# KiCad board FrontEnd_5G.kicad_pcb
title: FrontEnd_5G; date: 2022-03-03; rev: 1v0; company: Lime Microsystems
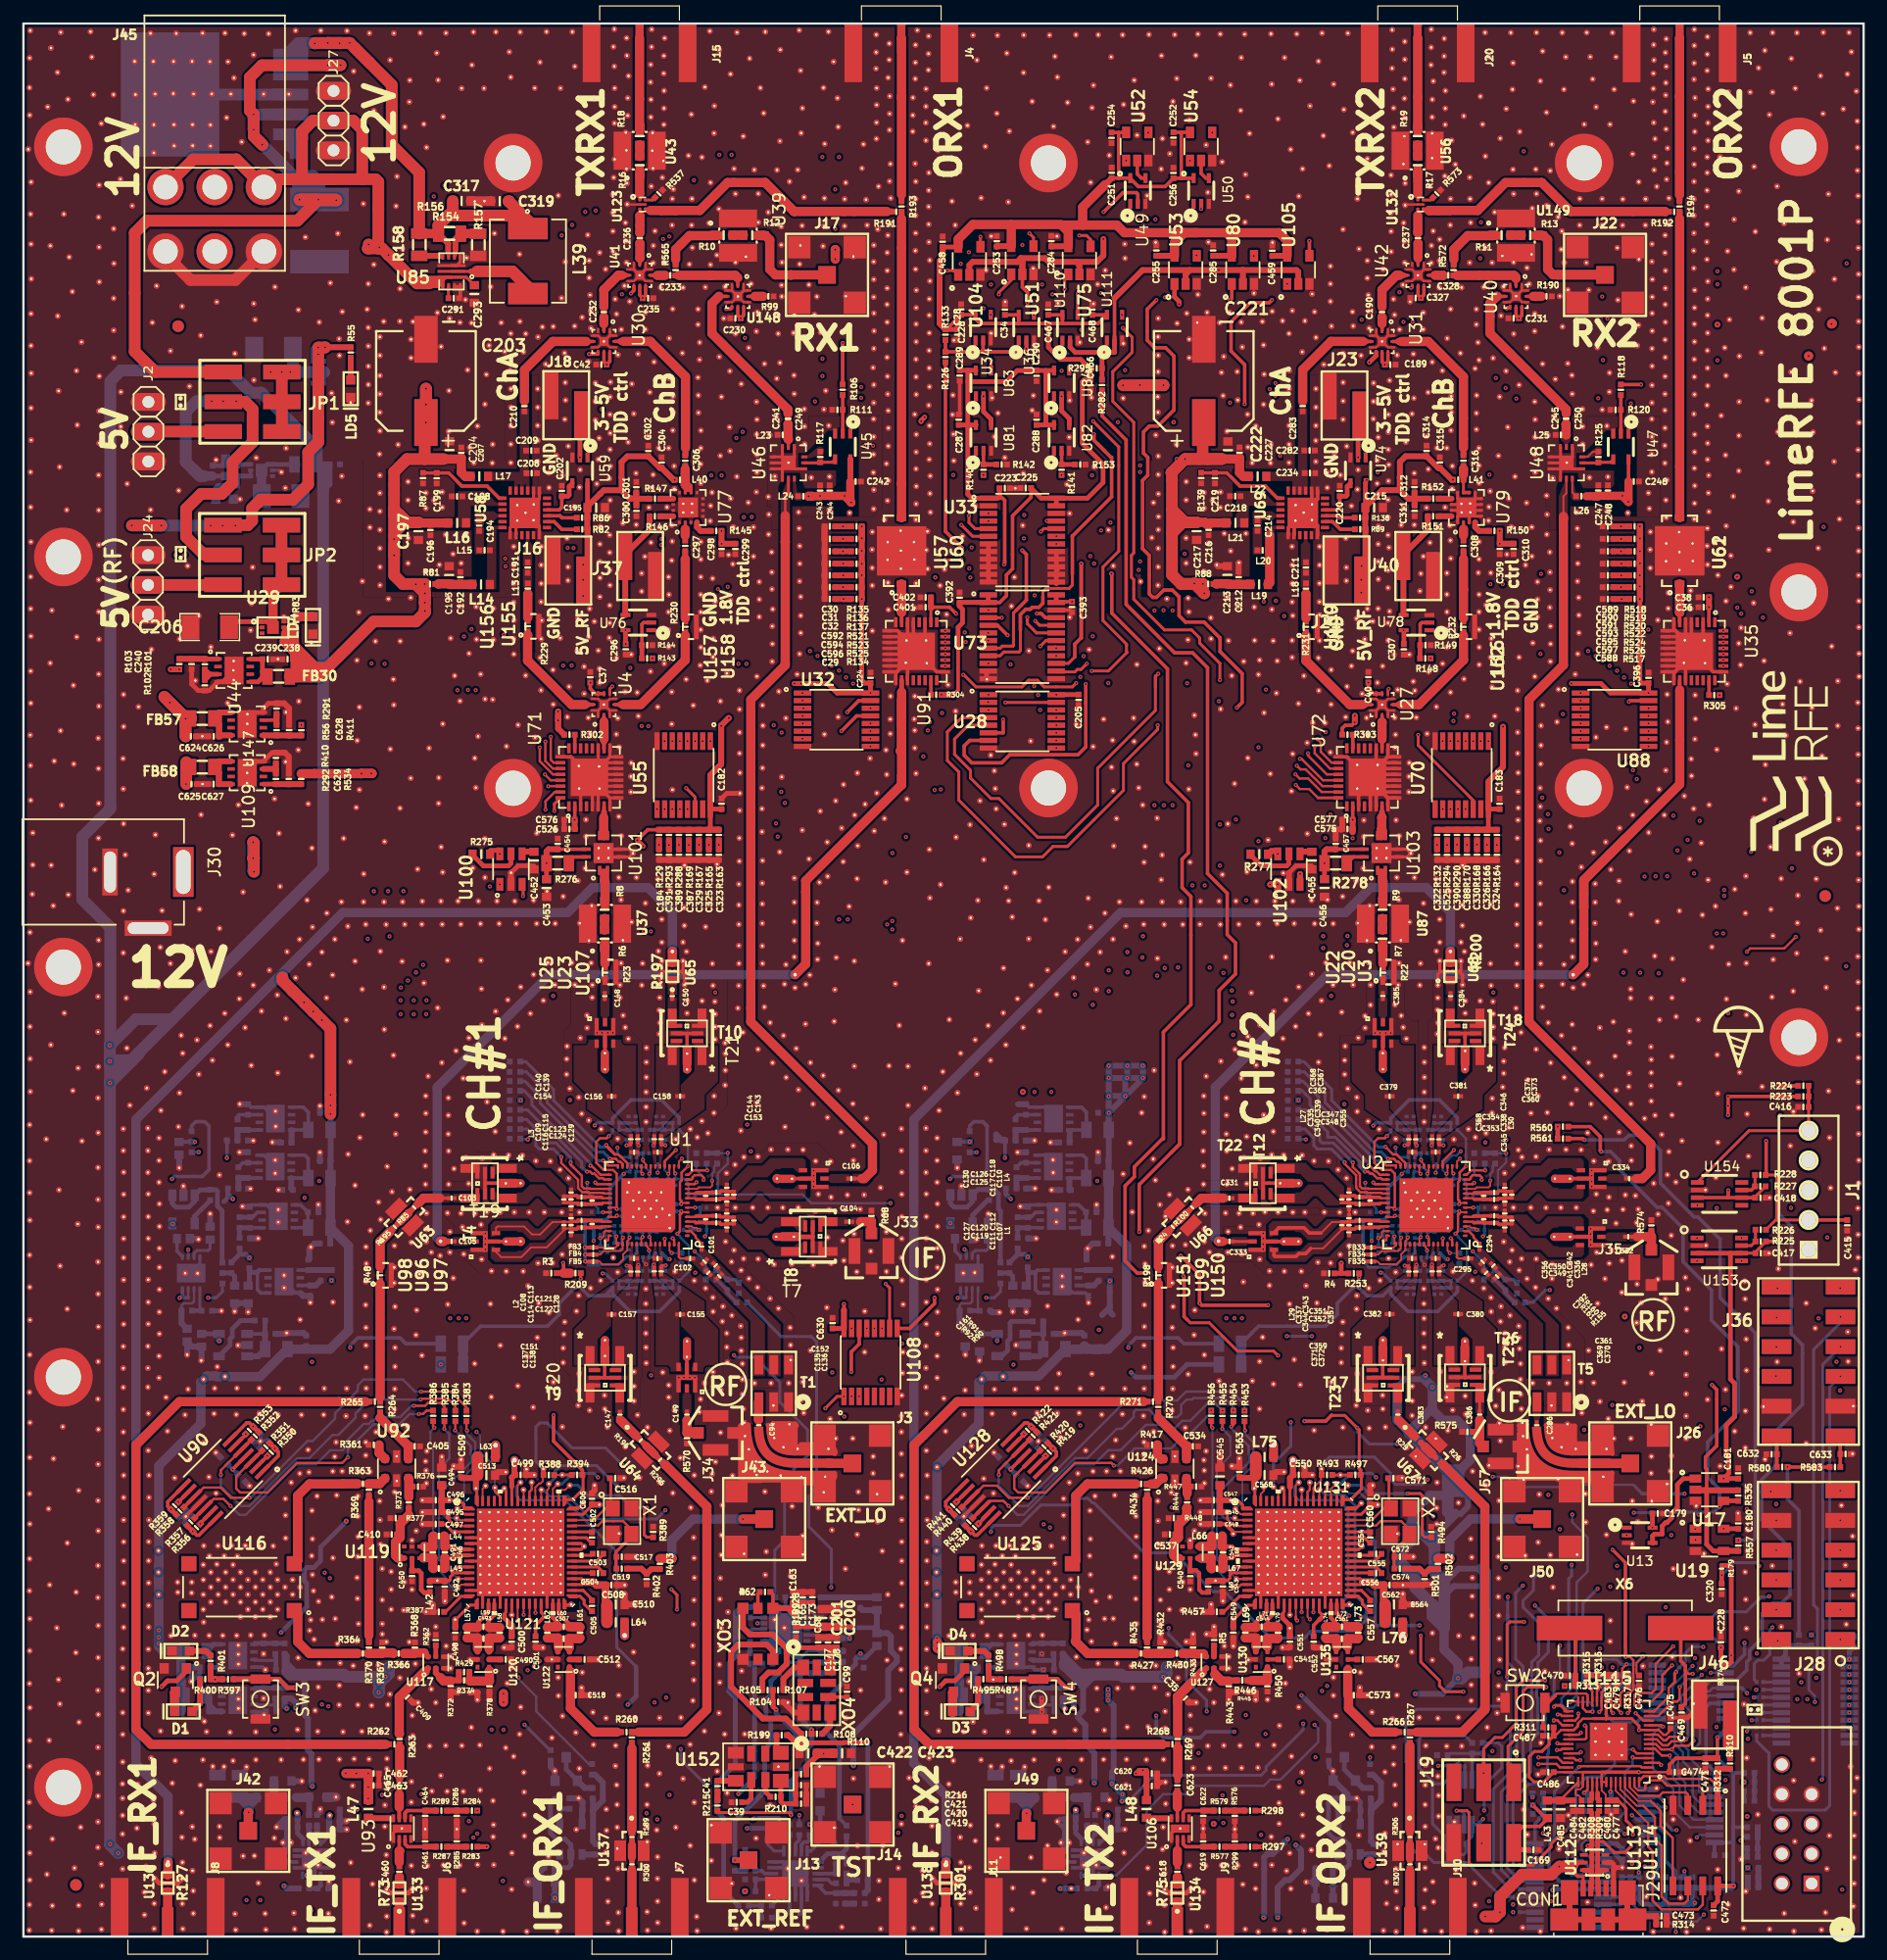
[diagram p0: board, top side]
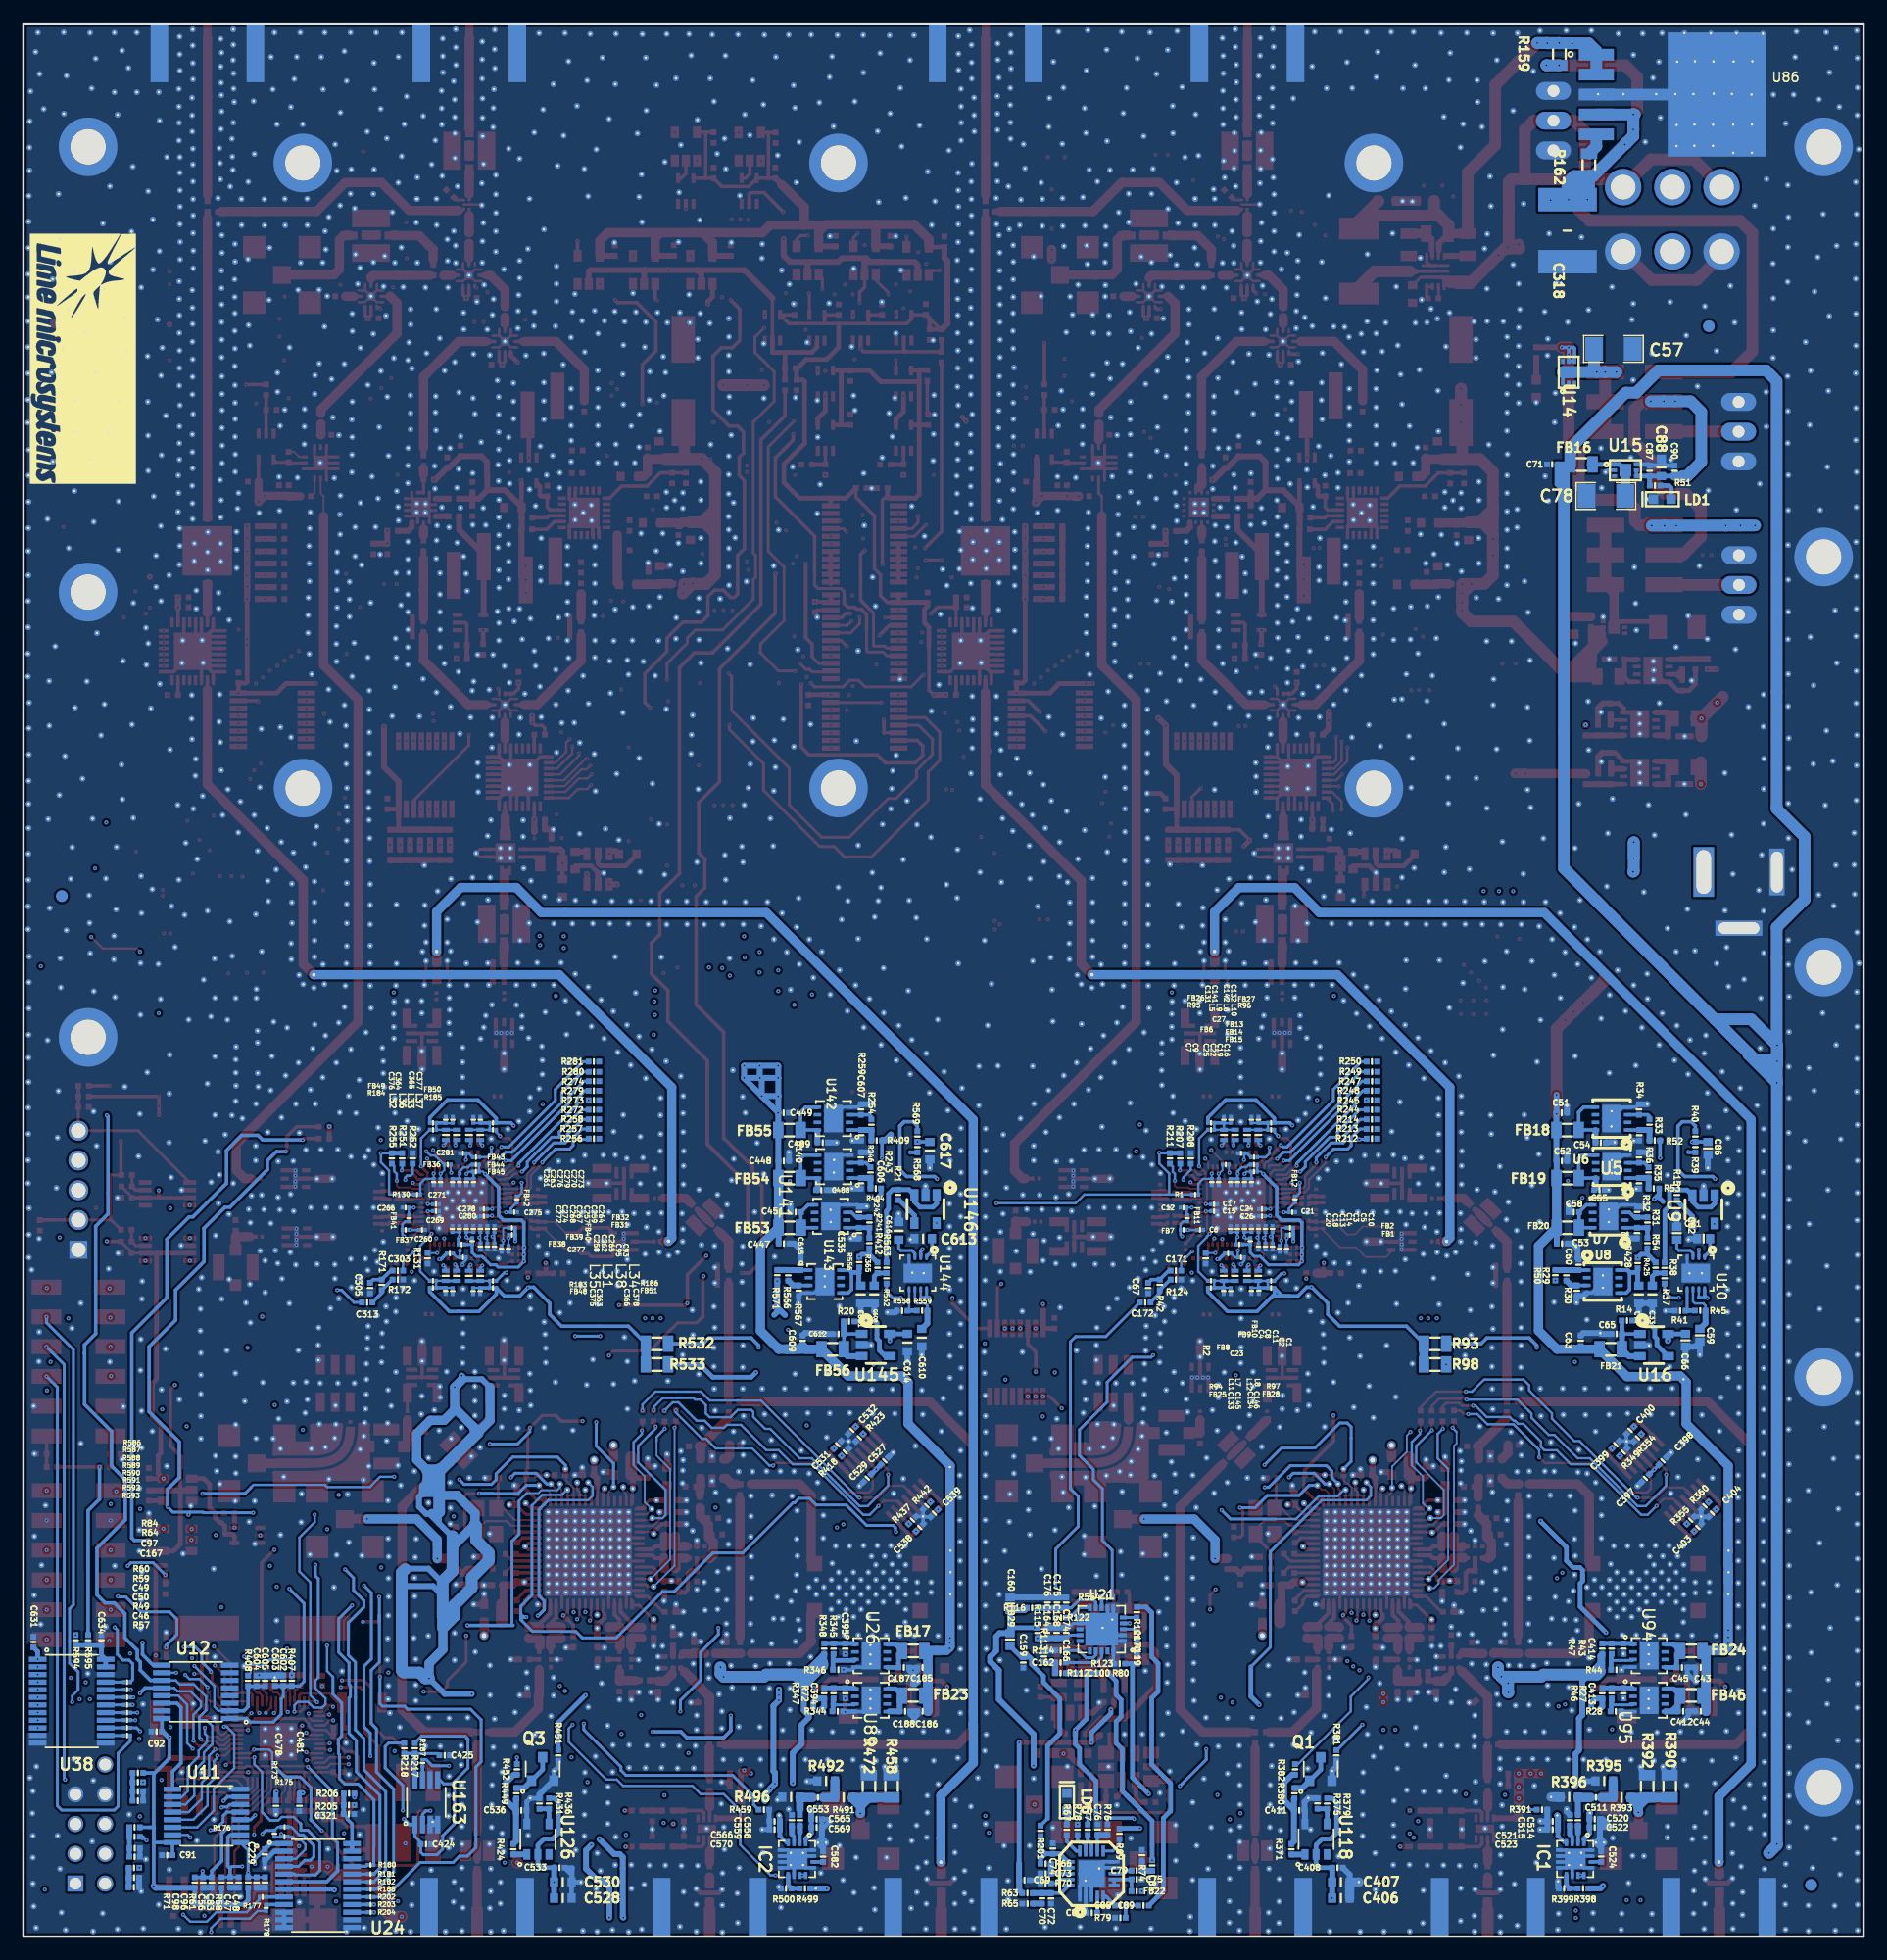
[diagram p1: board, bottom side, seen from below]

Outline 157.13 x 163.27 mm; copper layers: F.RO, B.RO, F.FR4, B.FR4, F2.RO, B2.RO (plane). Coordinates in mm from the lower left corner of the outline.
Outline path: 157.13,163.26 0,163.26 0,0 157.13,0 ; 157.13,163.26 157.13,163.27 ; 157.13,163.26 157.13,0.01

## Placement (name value [footprint] x y rotation side)
C1  1UF_0201_TDK_X5R  [SMD0201]  49.27 58.69 270 bottom
C2  1UF_0201_TDK_X5R  [SMD0201]  49.87 58.69 270 bottom
C3  1UF_0201_TDK_X5R  [SMD0201]  51.67 60.39 90 bottom
C4  1NF_0201  [SMD0201]  51.67 58.89 270 bottom
C5  1UF_0201_TDK_X5R  [SMD0201]  51.07 60.39 90 bottom
C6  1UF_0201_TDK_X5R  [SMD0201]  56.66 60.31 180 bottom
C7  1UF_0201_TDK_X5R  [SMD0201]  55.66 64.39 270 bottom
C8  1NF_0201  [SMD0201]  51.07 58.89 270 bottom
C9  1UF_0201_TDK_X5R  [SMD0201]  55.07 64.39 270 bottom
C10  1NF_0201  [SMD0201]  50.47 60.39 90 bottom
C11  1UF_0201_TDK_X5R  [SMD0201]  50.47 58.89 270 bottom
C12  1UF_0201_TDK_X5R  [SMD0201]  58.06 62.21 0 bottom
C13  1UF_0201_TDK_X5R  [SMD0201]  52.87 60.39 90 bottom
C14  1NF_0201  [SMD0201]  52.27 60.39 90 bottom
C15  1UF_0201_TDK_X5R  [SMD0201]  55.46 61.91 180 bottom
C16  1UF_0201_TDK_X5R  [SMD0201]  52.26 64.39 270 bottom
C17  1UF_0201_TDK_X5R  [SMD0201]  55.46 62.5 180 bottom
C18  1UF_0201_TDK_X5R  [SMD0201]  53.47 60.39 90 bottom
C19  1NF_0201  [SMD0201]  52.86 64.39 270 bottom
C20  1NF_0201  [SMD0201]  54.07 60.39 90 bottom
C21  1UF_0201_TDK_X5R  [SMD0201]  48.79 61.82 180 bottom
C22  1UF_0201_TDK_X5R  [SMD0201]  53.46 64.39 270 bottom
C23  1UF_0201_TDK_X5R  [SMD0201]  53.16 57.96 180 bottom
C24  1UF_0201_TDK_X5R  [SMD0201]  51.37 62.09 0 bottom
C25  1NF_0201  [SMD0201]  54.06 64.39 270 bottom
C26  1UF_0201_TDK_X5R  [SMD0201]  51.37 61.48 0 bottom
C27  1UF_0201_TDK_X5R  [SMD0201]  53.16 66.85 0 bottom
C28  10nF_0402  [SMD0402]  79.75 136.71 90 top
C29  10nF_0402  [SMD0402]  68.86 114.15 0 top
C30  10nF_0402  [SMD0402]  68.86 120.35 0 top
C31  10nF_0402  [SMD0402]  68.86 119.28 0 top
C32  10nF_0402  [SMD0402]  68.86 118.22 0 top
C33  10UF_0603  [SMD0603]  18.04 54.8 270 bottom
C34  10nF_0402  [SMD0402]  83.81 138.85 270 top
C35  NF_10pF_0402_GJM1555C1H100GB01D  [SMD0402]  99.22 20.35 135 top
C36  470pF_0402_GRM1555C1H471JA01D  [SMD0402]  143.48 113.45 180 top
C37  10nF_0402  [SMD0402]  48.4 107.47 270 top
C38  47nF_0402_GCM155R71H473KE02D  [SMD0402]  143.48 114.3 180 top
C39  33nF_0402  [SMD0402]  60.91 11.46 180 top
C40  10nF_0402  [SMD0402]  114.85 107.48 270 top
C41  1nF_0402  [SMD0402]  59.27 12.84 270 top
C42  10nF_0402  [SMD0402]  49.35 134.16 0 top
C43  1UF_0402  [SMD0402]  13.91 22.97 0 bottom
C44  1UF_0402  [SMD0402]  13.91 19.22 0 bottom
C45  1UF_0402  [SMD0402]  15.51 22.97 180 bottom
C46  1nF_0402  [SMD0402]  147.69 5.03 180 bottom
C47  1nF_0402  [SMD0402]  137.22 4.62 270 bottom
C48  10nF_0402  [SMD0402]  136.5 4.62 270 bottom
C49  1nF_0402  [SMD0402]  147.63 7.54 180 bottom
C50  10nF_0402  [SMD0402]  147.64 6.81 180 bottom
C51  1UF_0402  [SMD0402]  25.78 70.3 180 bottom
C52  1UF_0402  [SMD0402]  25.76 66.19 180 bottom
C53  1UF_0402  [SMD0402]  25.75 59.15 180 bottom
C54  1UF_0402  [SMD0402]  22.44 67.76 180 bottom
C55  1UF_0402  [SMD0402]  22.55 63.72 180 bottom
C56  1nF_0402  [SMD0402]  139.48 4.62 270 bottom
C57  10UF_1206  [SMD1206]  21.36 135.5 180 bottom
C58  1UF_0402  [SMD0402]  24.74 61.83 0 bottom
C59  1UF_0603  [SMD0603#2]  13.98 51.32 90 bottom
C60  4.7UF_0402  [SMD0402]  24.33 57.33 90 bottom
C61  4.7UF_0402  [SMD0402]  19.35 60.04 270 bottom
C62  4.7UF_0402  [SMD0402]  19.16 68.39 270 bottom
C63  1UF_0402  [SMD0402]  24.15 50.85 90 bottom
C64  4.7UF_0402  [SMD0402]  19.18 64.29 270 bottom
C65  1UF_0402  [SMD0402]  21.08 51.43 0 bottom
C66  10UF_0603  [SMD0603#2]  15.21 50.89 270 bottom
C67  100NF_0402  [SMD0402]  61.09 55.35 270 bottom
C68  1NF_0402  [SMD0402]  67.85 25.11 90 top
C69  1.2NF_0402  [SMD0402]  71.65 4.82 180 bottom
C70  470NF_0402  [SMD0402]  70.16 3.26 270 bottom
C71  100nF_0402_GRM155R71C104KA88J  [SMD0402]  26.59 125.64 0 bottom
C72  68NF_0402  [SMD0402]  69.38 3.26 270 bottom
C73  100NF_0402  [SMD0402]  69.84 5.38 180 bottom
C74  100NF_0402  [SMD0402]  69.23 7.51 270 bottom
C75  100NF_0402  [SMD0402]  62.07 4.89 180 bottom
C76  10PF_0402  [SMD0402]  65.41 9.13 90 bottom
C77  10UF_0603  [SMD0603]  19.19 54.8 270 bottom
C78  10UF_1206  [SMD1206]  22.01 122.94 0 bottom
C79  100NF_0402  [SMD0402]  62.07 5.63 0 bottom
C80  220PF_0402  [SMD0402]  65.9 2.03 0 bottom
C81  10UF_0603  [SMD0603#2]  13.66 59.57 0 bottom
C82  1UF_0603  [SMD0603#2]  15.95 60.03 270 bottom
C83  10nF_0402  [SMD0402]  138.75 4.62 270 bottom
C84  100NF_0402  [SMD0402]  60.75 6.07 270 bottom
C85  100NF_0402  [SMD0402]  63.46 2.65 0 bottom
C86  10UF_0603  [SMD0603#2]  13.29 67.27 270 bottom
C87  100nF_0402_GRM155R71C104KA88J  [SMD0402]  18.28 125.09 90 bottom
C88  10uF_0603_GRM188R61E106KA73J  [SMD0603]  17.27 125.39 90 bottom
C89  100NF_0402  [SMD0402]  61.48 2.65 0 bottom
C90  1uF_0402_CC0402ZRY5V5BB105  [SMD0402]  16.15 125.09 90 bottom
C91  10nF_0402  [SMD0402]  144.85 6.94 0 bottom
C92  10nF_0402  [SMD0402]  145.76 17.5 0 bottom
C93  1UF_0201_TDK_X5R  [SMD0201]  115.71 58.69 270 bottom
C94  10PF_0201  [SMD0201]  62.79 43.64 90 top
C95  1UF_0201_TDK_X5R  [SMD0201]  116.31 58.69 270 bottom
C96  1nF_0402  [SMD0402]  141.05 4.61 270 bottom
C97  1nF_0402  [SMD0402]  147.36 12.39 180 bottom
C98  10nF_0402  [SMD0402]  141.78 4.61 270 bottom
C99  18NF_0402  [SMD0402]  70.32 20.89 90 top
C100  100NF_0402  [SMD0402]  66.8 22.47 180 bottom
C101  10PF_0201  [SMD0201]  57.9 58.88 90 top
C102  10PF_0201  [SMD0201]  56.94 57.87 180 top
C103  10pF_0201_GJM0335C1E100JB01D  [SMD0201]  36.56 63.02 0 top
C104  10pF_0201_GJM0335C1E100JB01D  [SMD0201]  70.52 61.01 180 top
C105  2.3pF_0201_GJM0335C1E2R3BB01D  [SMD0201]  36.57 59.33 0 top
C106  2.3pF_0201_GJM0335C1E2R3BB01D  [SMD0201]  70.68 64.69 180 top
C107  C_NF  [SMD0201]  60.06 61.11 90 top
C108  C_NF  [SMD0201]  46.76 60.71 270 top
C109  C_NF  [SMD0201]  46.76 62.91 270 top
C110  C_NF  [SMD0201]  60.06 63.31 90 top
C111  C_NF  [SMD0201]  60.06 60.51 90 top
C112  C_NF  [SMD0201]  60.06 61.71 90 top
C113  0.9pF_0201_GJM0335C1ER90BB01D  [SMD0201]  46.76 61.31 270 top
C114  0.9pF_0201_GJM0335C1ER90BB01D  [SMD0201]  46.76 60.1 270 top
C115  C_NF  [SMD0201]  46.76 63.51 270 top
C116  C_NF  [SMD0201]  46.76 62.31 270 top
C117  0.9pF_0201_GJM0335C1ER90BB01D  [SMD0201]  60.06 62.71 90 top
C118  0.9pF_0201_GJM0335C1ER90BB01D  [SMD0201]  60.06 63.91 90 top
C119  2.3pF_0201_GJM0335C1E2R3BB01D  [SMD0201]  59.16 60.91 180 top
C120  2.3pF_0201_GJM0335C1E2R3BB01D  [SMD0201]  59.16 61.51 180 top
C121  0.5pF_0201_GJM0335C1ER50BB01D  [SMD0201]  47.66 61.11 0 top
C122  0.5pF_0201_GJM0335C1ER50BB01D  [SMD0201]  47.66 60.51 0 top
C123  2.3pF_0201_GJM0335C1E2R3BB01D  [SMD0201]  47.65 63.11 0 top
C124  2.3pF_0201_GJM0335C1E2R3BB01D  [SMD0201]  47.66 62.51 0 top
C125  0.5pF_0201_GJM0335C1ER50BB01D  [SMD0201]  59.16 62.91 180 top
C126  0.5pF_0201_GJM0335C1ER50BB01D  [SMD0201]  59.16 63.51 180 top
C127  0.6pF_0201_GJM0335C1ER60BB01D  [SMD0201]  58.26 61.21 90 top
C128  C_NF  [SMD0201]  48.56 60.81 270 top
C129  0.6pF_0201_GJM0335C1ER60BB01D  [SMD0201]  48.56 62.81 270 top
C130  C_NF  [SMD0201]  58.26 63.21 90 top
C131  1UF_0201_TDK_X5R  [SMD0201]  54.63 69.71 90 bottom
C132  1UF_0201_TDK_X5R  [SMD0201]  51.67 69.71 90 bottom
C133  1UF_0201_TDK_X5R  [SMD0201]  54.64 55.1 270 bottom
C134  1UF_0201_TDK_X5R  [SMD0201]  52.28 55.1 270 bottom
C135  10pF_0201_GJM0335C1E100JB01D  [SMD0201]  53.86 56.77 270 top
C136  10pF_0201_GJM0335C1E100JB01D  [SMD0201]  54.45 56.77 270 top
C137  10pF_0201_GJM0335C1E100JB01D  [SMD0201]  51.86 56.75 270 top
C138  10pF_0201_GJM0335C1E100JB01D  [SMD0201]  52.45 56.75 270 top
C139  10pF_0201_GJM0335C1E100JB01D  [SMD0201]  52.45 68.05 90 top
C140  10pF_0201_GJM0335C1E100JB01D  [SMD0201]  51.87 68.05 90 top
C141  1NF_0201  [SMD0201]  54.03 69.71 90 bottom
C142  1NF_0201  [SMD0201]  52.27 69.71 90 bottom
C143  10pF_0201_GJM0335C1E100JB01D  [SMD0201]  54.45 68.05 90 top
C144  10pF_0201_GJM0335C1E100JB01D  [SMD0201]  53.87 68.05 90 top
C145  1NF_0201  [SMD0201]  54.04 55.09 270 bottom
C146  1NF_0201  [SMD0201]  51.64 55.11 270 bottom
C147  10pF_0201_GJM0335C1E100JB01D  [SMD0201]  50.93 44.54 270 top
C148  10pF_0201_GJM0335C1E100JB01D  [SMD0201]  49.64 80.26 90 top
C149  10pF_0201_GJM0335C1E100JB01D  [SMD0201]  56.66 44.55 270 top
C150  10pF_0201_GJM0335C1E100JB01D  [SMD0201]  55.4 80.26 90 top
C151  C_NF  [SMD0201]  52.15 57.87 0 top
C152  C  [SMD0201]  54.15 57.87 0 top
C153  C_NF  [SMD0201]  54.16 66.94 180 top
C154  C_NF  [SMD0201]  52.15 66.94 180 top
C155  1.9nH_0201_LQP03TN1N9B02D  [SMD0201]  56.08 53.09 0 top
C156  1.9nH_0201_LQP03TN1N9B02D  [SMD0201]  50.23 71.71 180 top
C157  C_NF  [SMD0201]  50.23 53.09 0 top
C158  C_NF  [SMD0201]  56.08 71.72 180 top
C159  100NF_0402  [SMD0402]  71.75 23.39 90 bottom
C160  10UF_0603  [SMD0603_gap04]  72.88 28.41 90 bottom
C161  0.4PF_0201  [SMD0201]  58.16 57.6 225 top
C162  100NF_0402  [SMD0402]  68.57 23.39 0 bottom
C163  1NF_0402  [SMD0402]  65.72 28.95 90 top
C164  100NF_0402  [SMD0402]  69.73 25.92 90 bottom
C165  10NF_0402  [SMD0402]  66.54 28.95 270 top
C166  1NF_0402  [SMD0402]  68.08 25.92 270 bottom
C167  10nF_0402  [SMD0402]  147.36 11.59 180 bottom
C168  10NF_0402  [SMD0402]  68.91 25.92 90 bottom
C169  10nF_0402  [SMD0402]  128.93 7.41 0 top
C170  100NF_0402  [SMD0402]  62.03 23.74 90 bottom
C171  100NF_0402  [SMD0402]  58.72 56.83 180 bottom
C172  100NF_0402  [SMD0402]  61.34 54.12 180 bottom
C173  100NF_0402  [SMD0402]  67.37 28.96 270 top
C174  1NF_0402  [SMD0402]  68.08 28.5 270 bottom
C175  10NF_0402  [SMD0402]  68.87 28.5 90 bottom
C176  100NF_0402  [SMD0402]  69.69 28.5 90 bottom
C177  10NF_0402  [SMD0402]  68.7 25.1 270 top
C178  100NF_0402  [SMD0402]  69.45 25.11 270 top
C179  10nF_0402  [SMD0402]  139.55 36.11 0 top
C180  10nF_0402  [SMD0402]  146.43 35.25 90 top
C181  10nF_0402  [SMD0402]  146.42 39.53 90 top
C182  10nF_0402  [SMD0402]  59.61 96.67 90 top
C183  10nF_0402  [SMD0402]  126.05 96.67 90 top
C184  10nF_0402  [SMD0402]  54.27 92.33 90 top
C185  1UF_0402  [SMD0402]  80.35 22.97 0 bottom
C186  1UF_0402  [SMD0402]  80.35 19.22 0 bottom
C187  1UF_0402  [SMD0402]  81.95 22.97 180 bottom
C188  1UF_0402  [SMD0402]  81.85 19.22 180 bottom
C189  10nF_0402  [SMD0402]  116.71 134.15 180 top
C190  5pF_0402_CBR04C509C5GAC  [SMD0402]  116.01 138.64 90 top
C191  5.6pF_0402_04023J5R6BBWTR  [SMD0402]  43.06 116.83 90 top
C192  1nF_0402  [SMD0402]  37.31 116.01 270 top
C193  10nF_0603_C0603C103J5RAC  [SMD0603]  36.35 116.2 270 top
C194  5.6pF_0402_04023J5R6BBWTR  [SMD0402]  38.92 120.41 270 top
C195  1uF_0603  [SMD0603]  48.91 121.95 0 top
C196  1nF_0402  [SMD0402]  34.75 120.04 270 top
C197  1uF_0603  [SMD0603]  33.73 119.94 270 top
C198  5.6pF_0402_04023J5R6BBWTR  [SMD0402]  37.03 122.91 180 top
C199  470pF_0402_GRM1555C1H471JA01D  [SMD0402]  35.29 124.46 90 top
C200  10UF_0603  [SMD0603]  69.31 27.19 90 top
C201  10UF_0603  [SMD0603]  68.22 27.19 90 top
C202  1nF_0402  [SMD0402]  45.97 123.37 90 top
C203  100uF_63V_Electrolytic_Panasonic  [EEE-FK1J101P]  34.37 132.76 0 top
C204  4.7uF_0603  [SMD0603]  36.38 126.86 90 top
C205  10nF_0402  [SMD0402]  90.1 105.54 270 top
C206  10UF_1206  [SMD1206]  15.91 111.75 180 top
C207  1nF_0402  [SMD0402]  37.39 126.63 90 top
C208  2pF_0402_GRM1555C2A2R0CA01D  [SMD0402]  43.4 124.89 0 top
C209  0.6pF_0402_GRM1555C2AR60BA01D  [SMD0402]  43.37 126.82 0 top
C210  5.6pF_0402_04023J5R6BBWTR  [SMD0402]  42.78 130.61 90 top
C211  5.6pF_0402_04023J5R6BBWTR  [SMD0402]  109.52 116.84 90 top
C212  1nF_0402  [SMD0402]  103.77 116.02 270 top
C213  10nF_0603_C0603C103J5RAC  [SMD0603]  102.8 116.21 270 top
C214  5.6pF_0402_04023J5R6BBWTR  [SMD0402]  105.37 120.42 270 top
C215  1uF_0603  [SMD0603]  115.34 121.95 0 top
C216  1nF_0402  [SMD0402]  101.2 120.05 270 top
C217  1uF_0603  [SMD0603]  100.17 119.95 270 top
C218  5.6pF_0402_04023J5R6BBWTR  [SMD0402]  103.48 122.93 180 top
C219  470pF_0402_GRM1555C1H471JA01D  [SMD0402]  101.74 124.47 90 top
C220  1nF_0402  [SMD0402]  112.4 123.37 90 top
C221  100uF_63V_Electrolytic_Panasonic  [EEE-FK1J101P]  100.79 132.76 0 top
C222  4.7uF_0603  [SMD0603]  102.85 126.85 90 top
C223  10nF_0402  [SMD0402]  83.8 123.61 0 top
C224  10nF_0402  [SMD0402]  72.33 107.42 90 top
C225  10nF_0402  [SMD0402]  85.59 123.62 180 top
C226  10nF_0402  [SMD0402]  80.07 138.86 270 top
C227  1nF_0402  [SMD0402]  103.85 126.64 90 top
C228  1uF_0402  [SMD0402]  144.95 25.12 90 top
C229  10nF_0402  [SMD0402]  136.52 7.01 270 bottom
C230  10nF_0402  [SMD0402]  60.8 138.11 0 top
C231  10nF_0402  [SMD0402]  127.25 138.11 0 top
C232  5pF_0402_CBR04C509C5GAC  [SMD0402]  49.56 138.64 90 top
C233  5pF_0402_CBR04C509C5GAC  [SMD0402]  55.24 141.77 180 top
C234  2pF_0402_GRM1555C2A2R0CA01D  [SMD0402]  109.86 124.9 0 top
C235  10nF_0402  [SMD0402]  53.34 139.82 180 top
C236  5pF_0402_CBR04C509C5GAC  [SMD0402]  52.63 144.95 90 top
C237  5pF_0402_CBR04C509C5GAC  [SMD0402]  119.08 144.95 90 top
C238  1UF_0402  [SMD0402]  22.56 109.01 180 top
C239  1UF_0402  [SMD0402]  20.86 109.01 0 top
C240  4.7UF_0402  [SMD0402]  14.36 108.59 270 top
C241  5pF_0402_CBR04C509C5GAC  [SMD0402]  65.29 129.53 270 top
C242  10nF_0402  [SMD0402]  71.06 124.17 180 top
C243  10pF_0402  [SMD0402]  68.03 123.4 90 top
C244  100nF_0402_GRM155R71C104KA88J  [SMD0402]  68.84 123.4 90 top
C245  5pF_0402_CBR04C509C5GAC  [SMD0402]  131.74 129.53 270 top
C246  10nF_0402  [SMD0402]  137.5 124.18 180 top
C247  10pF_0402  [SMD0402]  134.48 123.41 90 top
C248  100nF_0402_GRM155R71C104KA88J  [SMD0402]  135.3 123.41 90 top
C249  NF_1000pF_0402_GCM155R71H102KA37D  [SMD0402]  65.29 129.53 90 top
C250  NF_1000pF_0402_GCM155R71H102KA37D  [SMD0402]  131.73 129.54 90 top
C251  10nF_0402  [SMD0402]  92.93 150.52 270 top
C252  10nF_0402  [SMD0402]  98.2 153.53 90 top
C253  10nF_0402  [SMD0402]  83.11 144.68 270 top
C254  10nF_0402  [SMD0402]  92.91 153.51 90 top
C255  10nF_0402  [SMD0402]  96.74 143.89 270 top
C256  10nF_0402  [SMD0402]  98.2 150.51 270 top
C257  1UF_0201_TDK_X5R  [SMD0201]  118.11 60.39 90 bottom
C258  1NF_0201  [SMD0201]  118.11 58.89 270 bottom
C259  1UF_0201_TDK_X5R  [SMD0201]  117.51 60.39 90 bottom
C260  1UF_0201_TDK_X5R  [SMD0201]  123.1 60.31 180 bottom
C261  1UF_0201_TDK_X5R  [SMD0201]  122.1 64.39 270 bottom
C262  1NF_0201  [SMD0201]  117.51 58.89 270 bottom
C263  1UF_0201_TDK_X5R  [SMD0201]  121.51 64.39 270 bottom
C264  1NF_0201  [SMD0201]  116.91 60.39 90 bottom
C265  1UF_0201_TDK_X5R  [SMD0201]  116.91 58.89 270 bottom
C266  1UF_0201_TDK_X5R  [SMD0201]  124.5 62.21 0 bottom
C267  1UF_0201_TDK_X5R  [SMD0201]  118.71 60.39 90 bottom
C268  1NF_0201  [SMD0201]  119.31 60.39 90 bottom
C269  1UF_0201_TDK_X5R  [SMD0201]  121.9 61.91 180 bottom
C270  1UF_0201_TDK_X5R  [SMD0201]  119.3 64.39 270 bottom
C271  1UF_0201_TDK_X5R  [SMD0201]  121.9 62.5 180 bottom
C272  1UF_0201_TDK_X5R  [SMD0201]  120.51 60.39 90 bottom
C273  1NF_0201  [SMD0201]  118.69 64.39 270 bottom
C274  1NF_0201  [SMD0201]  119.91 60.39 90 bottom
C275  1UF_0201_TDK_X5R  [SMD0201]  115.23 61.82 180 bottom
C276  1UF_0201_TDK_X5R  [SMD0201]  120.5 64.39 270 bottom
C277  1UF_0201_TDK_X5R  [SMD0201]  119.6 57.96 180 bottom
C278  1UF_0201_TDK_X5R  [SMD0201]  117.81 62.09 0 bottom
C279  1NF_0201  [SMD0201]  119.9 64.39 270 bottom
C280  1UF_0201_TDK_X5R  [SMD0201]  117.81 61.48 0 bottom
C281  1UF_0201_TDK_X5R  [SMD0201]  119.6 66.85 0 bottom
C282  0.6pF_0402_GRM1555C2AR60BA01D  [SMD0402]  109.83 126.83 0 top
C283  5.6pF_0402_04023J5R6BBWTR  [SMD0402]  109.23 130.62 90 top
C284  10nF_0402  [SMD0402]  87.77 144.69 270 top
C285  10nF_0402  [SMD0402]  101.59 143.89 270 top
C286  10PF_0201  [SMD0201]  129.22 43.64 90 top
C287  10nF_0402  [SMD0402]  79.87 129.45 270 top
C288  10nF_0402  [SMD0402]  86.51 129.45 270 top
C289  10nF_0402  [SMD0402]  79.95 133.22 90 top
C290  10nF_0402  [SMD0402]  86.51 133.2 90 top
C291  2.2nF_0402_GRM155R71E222KA01D  [SMD0402]  36.75 139.82 0 top
C292  0.4PF_0201  [SMD0201]  124.6 57.59 225 top
C293  10uF_0603_GRM188R61E106KA73J  [SMD0603]  38.51 140.18 90 top
C294  10PF_0201  [SMD0201]  124.33 58.88 90 top
C295  10PF_0201  [SMD0201]  123.37 57.87 180 top
C296  10nF_0402  [SMD0402]  51.43 109.86 90 top
C297  18pF_0402_GRM1555C1H180JA01D  [SMD0402]  56.51 118.68 270 top
C298  100pF_0402_GRM1555C1H101JA01D  [SMD0402]  59.61 118.42 90 top
C299  1uF_0402_CC0402ZRY5V5BB105  [SMD0402]  60.79 118.42 90 top
C300  100pF_0402_GRM1555C1H101JA01D  [SMD0402]  52.34 121.67 270 top
C301  100pF_0402_GRM1555C1H101JA01D  [SMD0402]  52.33 123.69 270 top
C302  1uF_0402_CC0402ZRY5V5BB105  [SMD0402]  53.36 126.78 270 top
C303  100NF_0402  [SMD0402]  125.16 56.83 180 bottom
C304  100pF_0402_GRM1555C1H101JA01D  [SMD0402]  54.49 125.79 270 top
C305  100NF_0402  [SMD0402]  127.53 55.35 270 bottom
C306  18pF_0402_GRM1555C1H180JA01D  [SMD0402]  56.51 125.95 270 top
C307  10nF_0402  [SMD0402]  117.87 109.86 90 top
C308  18pF_0402_GRM1555C1H180JA01D  [SMD0402]  122.96 118.69 270 top
C309  100pF_0402_GRM1555C1H101JA01D  [SMD0402]  126.07 118.43 90 top
C310  1uF_0402_CC0402ZRY5V5BB105  [SMD0402]  127.24 118.43 90 top
C311  100pF_0402_GRM1555C1H101JA01D  [SMD0402]  118.8 121.68 270 top
C312  100pF_0402_GRM1555C1H101JA01D  [SMD0402]  118.79 123.7 270 top
C313  100NF_0402  [SMD0402]  127.78 54.12 180 bottom
C314  1uF_0402_CC0402ZRY5V5BB105  [SMD0402]  119.82 126.78 270 top
C315  100pF_0402_GRM1555C1H101JA01D  [SMD0402]  120.95 125.8 270 top
C316  18pF_0402_GRM1555C1H180JA01D  [SMD0402]  122.96 125.96 270 top
C317  10uF_0603_GRM188R61E106KA73J  [SMD0603]  37.42 148.12 180 top
C318  47uF_2220_CGA9N3X7R1E476M230KB  [SMD2220]  25.28 145.58 270 bottom
C319  10uF_0603_GRM188R61E106KA73J  [SMD0603]  40.68 148.1 0 top
C320  1uF_0402  [SMD0402]  145.01 29.67 270 top